# Altium PCB Main_PCB.PcbDoc (part 10 of 13) (continued)
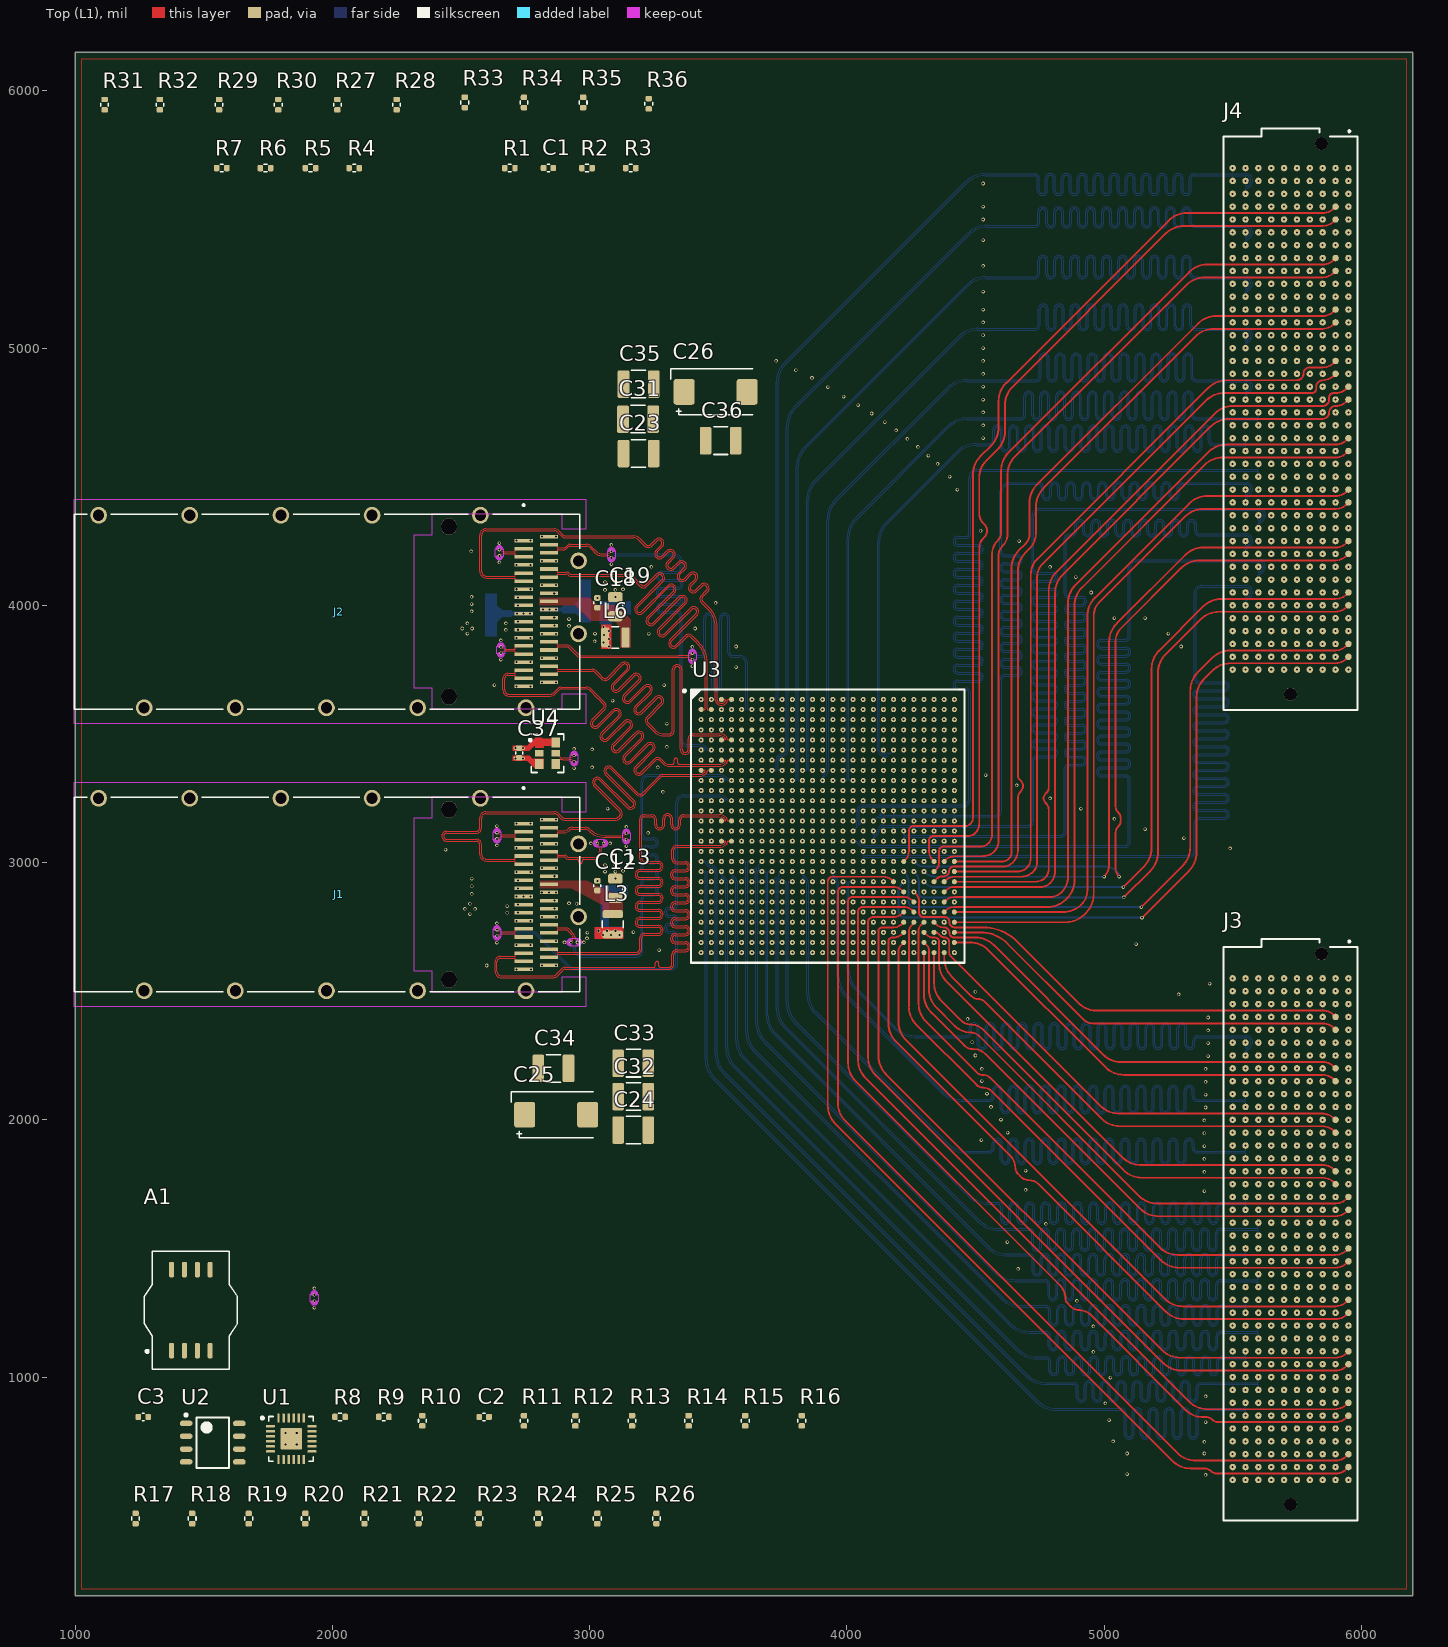
[diagram p0: Top (L1) view]
## Nets (pads, with @x,y where several pads share a name; then routed paths per layer and width w, separated by ;. In a path a pad name is that pad's centre, name@x,y a point inside that pad or via, vN(x,y) a via of type N, cw(c..) or ccw(c..) an arc to the next point about the centre after c; other vN are vias at no path point) (continued)
HPCC_B_48_P: J4.G18 U3.H16 | length 3784
  Int9 (L10) w3.5: v1(4024.41,3358.66) 4024.41,3371.1 cw(c4027.91,3371.1) 4025.43,3373.57 cw(c4027.91,3371.1) 4027.91,3374.6 ; 4027.95,3374.6 ccw(c4027.95,3385.5) 4035.66,3377.79 4035.7,3377.83 ccw(c4004.81,3408.73) 4048.5,3408.73 4048.5,3431 ccw(c4041,3431) 4048.48,3431.58 4048.13,3436.25 cw(c4063.78,3437.4) 4048.1,3437.98 4048.11,3438.05 ccw(c4040.61,3438.26) 4048.11,3438.43 4048.11,3441.38 4048.11,3475.96 ccw(c4037.11,3475.93) 4048.1,3476.25 cw(c4063.78,3476.77) 4048.09,3476.77 4048.09,3634.25 cw(c4063.78,3634.25) 4048.1,3634.78 ccw(c4037.11,3635.1) 4048.11,3635.05 4048.11,3655 ccw(c4044.97,3658.14) 4049.41,3658.14 4049.41,4452.98 cw(c4149.41,4452.98) 4078.7,4523.7 4395.71,4840.71 cw(c4466.42,4770) 4466.42,4870 4727,4870 4733.15,4870 ccw(c4733.15,4890.55) 4753.7,4890.55 4753.7,4915.97 cw(c4765.45,4915.97) 4777.2,4915.97 4777.2,4889.49 ccw(c4797.75,4889.49) 4818.3,4889.49 4818.3,4915.97 cw(c4830.05,4915.97) 4841.8,4915.97 4841.8,4889.49 ccw(c4862.35,4889.49) 4882.9,4889.49 4882.9,4915.97 cw(c4894.65,4915.97) 4906.4,4915.97 4906.4,4889.49 ccw(c4926.95,4889.49) 4947.5,4889.49 4947.5,4915.97 cw(c4959.25,4915.97) 4971,4915.97 4971,4889.49 ccw(c4991.55,4889.49) 5012.1,4889.49 5012.1,4915.97 cw(c5023.85,4915.97) 5035.6,4915.97 5035.6,4889.49 ccw(c5056.15,4889.49) 5076.7,4889.49 5076.7,4915.97 cw(c5088.45,4915.97) 5100.2,4915.97 5100.2,4889.49 ccw(c5120.75,4889.49) 5141.3,4889.49 5141.3,4915.97 cw(c5153.05,4915.97) 5164.8,4915.97 5164.8,4889.49 ccw(c5185.35,4889.49) 5205.9,4889.49 5205.9,4915.97 cw(c5217.65,4915.97) 5229.4,4915.97 5229.4,4889.49 ccw(c5249.95,4889.49) 5270.5,4889.49 5270.5,4915.97 cw(c5282.25,4915.97) 5294,4915.97 5294,4890.55 ccw(c5314.55,4890.55) 5314.55,4870 5357,4870 5652.93,4870 cw(c5652.93,4852.93) 5665,4865 cw(c5652.93,4852.93) 5670,4852.93 5670,4850 cw(c5654.66,4850) 5665.51,4839.15 5657.34,4830.99 cw(c5653.5,4834.84) 5653.5,4829.4 cw(c5653.5,4832.9) 5651.03,4830.43 cw(c5653.5,4832.9) 5650,4832.9 v1(5650,4850)
HPCC_B_49_N: J4.G23 U3.H18 | length 3813.4
  Int9 (L10) w3.5: v1(4103.15,3358.66) 4090.71,3358.66 ccw(c4090.71,3355.16) 4088.24,3357.64 ccw(c4090.71,3355.16) 4087.21,3355.16 ccw(c4090.71,3355.16) 4088.24,3352.69 ccw(c4111.63,3376.07) 4111.63,3343 4141.39,3343 cw(c4141.35,3332) 4141.8,3342.99 ccw(c4142.52,3358.66) 4143.19,3342.99 cw(c4143.69,3332) 4143.64,3343 4180.76,3343 cw(c4180.72,3332) 4181.18,3342.99 ccw(c4181.89,3358.66) 4181.89,3342.97 4418.18,3342.97 4430.89,3343 4434.94,3343 cw(c4436.88,3341.07) 4436.88,3343.8 4455.03,3343.8 ccw(c4455.03,3364.97) 4470,3350 4471.46,3351.46 ccw(c4462.93,3360) 4475,3360 4475,4650.03 cw(c4504.97,4650.03) 4483.78,4671.22 cw(c4502.07,4652.93) 4502.07,4678.8 4929,4678.8 4967.45,4678.8 cw(c4967.45,4658.25) 4988,4658.25 4988,4621.94 ccw(c4999.75,4621.94) 5011.5,4621.94 5011.5,4661.23 cw(c5032.05,4661.23) 5052.6,4661.23 5052.6,4621.94 ccw(c5064.35,4621.94) 5076.1,4621.94 5076.1,4661.23 cw(c5096.65,4661.23) 5117.2,4661.23 5117.2,4621.94 ccw(c5128.95,4621.94) 5140.7,4621.94 5140.7,4661.23 cw(c5161.25,4661.23) 5181.8,4661.23 5181.8,4621.94 ccw(c5193.55,4621.94) 5205.3,4621.94 5205.3,4661.23 cw(c5225.85,4661.23) 5246.4,4661.23 5246.4,4621.94 ccw(c5258.15,4621.94) 5269.9,4621.94 5269.9,4661.23 cw(c5290.45,4661.23) 5311,4661.23 5311,4621.94 ccw(c5322.75,4621.94) 5334.5,4621.94 5334.5,4661.23 cw(c5355.05,4661.23) 5375.6,4661.23 5375.6,4621.94 ccw(c5387.35,4621.94) 5399.1,4621.94 5399.1,4658.25 cw(c5419.65,4658.25) 5419.65,4678.8 5450,4678.8 5652.93,4678.8 cw(c5652.93,4652.93) 5671.22,4671.22 cw(c5652.93,4652.93) 5678.8,4652.93 5678.8,4650 cw(c5654.66,4650) 5671.73,4632.93 5663.56,4624.76 cw(c5653.5,4634.84) 5653.5,4620.6 ccw(c5653.5,4617.1) 5651.03,4619.57 ccw(c5653.5,4617.1) 5650,4617.1 v1(5650,4600)
HPCC_B_49_P: J4.G22 U3.H17 | length 3797.4
  Int9 (L10) w3.5: v1(4063.78,3358.66) 4076.21,3358.66 cw(c4076.21,3355.16) 4078.69,3357.64 cw(c4076.21,3355.16) 4079.71,3355.16 ccw(c4090.71,3355.16) 4082.99,3347.33 ccw(c4111.63,3376.07) 4111.63,3335.5 4141.38,3335.5 cw(c4141.35,3332) 4141.48,3335.5 ccw(c4142.52,3358.66) 4143.56,3335.5 cw(c4143.69,3332) 4143.66,3335.5 4180.75,3335.5 cw(c4180.72,3332) 4180.85,3335.5 ccw(c4181.89,3358.66) 4181.89,3335.47 4418.19,3335.47 4430.9,3335.5 4435,3335.5 ccw(c4436.21,3336.71) 4436.21,3335 4455.03,3335 ccw(c4455.03,3364.97) 4476.22,3343.78 4477.69,3345.24 ccw(c4462.93,3360) 4483.8,3360 4483.8,4650.03 cw(c4504.97,4650.03) 4490,4665 cw(c4502.07,4652.93) 4502.07,4670 4929,4670 4967.45,4670 cw(c4967.45,4658.25) 4979.2,4658.25 4979.2,4621.94 ccw(c4999.75,4621.94) 5020.3,4621.94 5020.3,4661.23 cw(c5032.05,4661.23) 5043.8,4661.23 5043.8,4621.94 ccw(c5064.35,4621.94) 5084.9,4621.94 5084.9,4661.23 cw(c5096.65,4661.23) 5108.4,4661.23 5108.4,4621.94 ccw(c5128.95,4621.94) 5149.5,4621.94 5149.5,4661.23 cw(c5161.25,4661.23) 5173,4661.23 5173,4621.94 ccw(c5193.55,4621.94) 5214.1,4621.94 5214.1,4661.23 cw(c5225.85,4661.23) 5237.6,4661.23 5237.6,4621.94 ccw(c5258.15,4621.94) 5278.7,4621.94 5278.7,4661.23 cw(c5290.45,4661.23) 5302.2,4661.23 5302.2,4621.94 ccw(c5322.75,4621.94) 5343.3,4621.94 5343.3,4661.23 cw(c5355.05,4661.23) 5366.8,4661.23 5366.8,4621.94 ccw(c5387.35,4621.94) 5407.9,4621.94 5407.9,4658.25 cw(c5419.65,4658.25) 5419.65,4670 5450,4670 5652.93,4670 cw(c5652.93,4652.93) 5665,4665 cw(c5652.93,4652.93) 5670,4652.93 5670,4650 cw(c5654.66,4650) 5665.51,4639.15 5657.34,4630.99 cw(c5653.5,4634.84) 5653.5,4629.4 cw(c5653.5,4632.9) 5651.03,4630.43 cw(c5653.5,4632.9) 5650,4632.9 v1(5650,4650)
HPCC_B_50_N: J4.G27 U3.K18 | length 3810.3
  Int9 (L10) w3.5: 4091.52,3260.62 cw(c4089.84,3263.69) 4088.8,3260.35 4088.59,3260.41 cw(c4091.07,3262.89) 4087.57,3262.89 cw(c4091.07,3262.89) 4088.59,3265.36 v1(4103.15,3279.92) ; 4091.53,3260.62 4091.94,3260.85 cw(c4103.15,3240.55) 4103.15,3263.74 4699.88,3263.74 ccw(c4699.88,3285.12) 4715,3270 ccw(c4702.93,3282.07) 4720,3282.07 4720,3687.35 4720,3693.5 ccw(c4708.25,3693.5) 4708.25,3705.25 4669.99,3705.25 cw(c4669.99,3725.8) 4669.99,3746.35 4708.92,3746.35 ccw(c4708.92,3758.1) 4708.92,3769.85 4669.99,3769.85 cw(c4669.99,3790.4) 4669.99,3810.95 4708.92,3810.95 ccw(c4708.92,3822.7) 4708.92,3834.45 4669.99,3834.45 cw(c4669.99,3855) 4669.99,3875.55 4708.92,3875.55 ccw(c4708.92,3887.3) 4708.92,3899.05 4669.99,3899.05 cw(c4669.99,3919.6) 4669.99,3940.15 4708.92,3940.15 ccw(c4708.92,3951.9) 4708.92,3963.65 4669.99,3963.65 cw(c4669.99,3984.2) 4669.99,4004.75 4708.92,4004.75 ccw(c4708.92,4016.5) 4708.92,4028.25 4669.99,4028.25 cw(c4669.99,4048.8) 4669.99,4069.35 4708.92,4069.35 ccw(c4708.92,4081.1) 4708.92,4092.85 4669.99,4092.85 cw(c4669.99,4113.4) 4669.99,4133.95 4708.92,4133.95 ccw(c4708.92,4145.7) 4708.92,4157.45 4669.99,4157.45 cw(c4669.99,4178) 4669.99,4198.55 4708.25,4198.55 ccw(c4708.25,4210.3) 4720,4210.3 4720,4261 4720,4450.03 cw(c4749.97,4450.03) 4728.78,4471.22 cw(c4747.07,4452.93) 4747.07,4478.8 5652.93,4478.8 cw(c5652.93,4452.93) 5671.22,4471.22 cw(c5652.93,4452.93) 5678.8,4452.93 5678.8,4450 cw(c5654.66,4450) 5671.73,4432.93 5663.56,4424.76 cw(c5653.5,4434.84) 5653.5,4420.6 ccw(c5653.5,4417.1) 5651.03,4419.57 ccw(c5653.5,4417.1) 5650,4417.1 v1(5650,4400)
HPCC_B_50_P: J4.G26 U3.L17 | length 3789.5
  Int9 (L10) w3.5: v1(4063.78,3240.55) 4078.34,3255.11 cw(c4080.81,3252.63) 4080.81,3256.13 cw(c4080.81,3252.63) 4083.29,3255.11 ccw(c4091.03,3262.81) 4091.03,3251.89 4091.77,3252.21 ccw(c4090.38,3255.42) 4092.09,3252.36 4095.13,3254.04 4095.56,3254.28 cw(c4103.15,3240.55) 4103.15,3256.24 4435,3256.24 ccw(c4438.14,3259.38) 4438.14,3254.94 4699.88,3254.94 ccw(c4699.88,3285.12) 4721.22,3263.78 ccw(c4702.93,3282.07) 4728.8,3282.07 4728.8,3687.35 4728.8,3693.5 ccw(c4708.25,3693.5) 4708.25,3714.05 4669.99,3714.05 cw(c4669.99,3725.8) 4669.99,3737.55 4708.92,3737.55 ccw(c4708.92,3758.1) 4708.92,3778.65 4669.99,3778.65 cw(c4669.99,3790.4) 4669.99,3802.15 4708.92,3802.15 ccw(c4708.92,3822.7) 4708.92,3843.25 4669.99,3843.25 cw(c4669.99,3855) 4669.99,3866.75 4708.92,3866.75 ccw(c4708.92,3887.3) 4708.92,3907.85 4669.99,3907.85 cw(c4669.99,3919.6) 4669.99,3931.35 4708.92,3931.35 ccw(c4708.92,3951.9) 4708.92,3972.45 4669.99,3972.45 cw(c4669.99,3984.2) 4669.99,3995.95 4708.92,3995.95 ccw(c4708.92,4016.5) 4708.92,4037.05 4669.99,4037.05 cw(c4669.99,4048.8) 4669.99,4060.55 4708.92,4060.55 ccw(c4708.92,4081.1) 4708.92,4101.65 4669.99,4101.65 cw(c4669.99,4113.4) 4669.99,4125.15 4708.92,4125.15 ccw(c4708.92,4145.7) 4708.92,4166.25 4669.99,4166.25 cw(c4669.99,4178) 4669.99,4189.75 4708.25,4189.75 ccw(c4708.25,4210.3) 4728.8,4210.3 4728.8,4261 4728.8,4450.03 cw(c4749.97,4450.03) 4735,4465 cw(c4747.07,4452.93) 4747.07,4470 5652.93,4470 cw(c5652.93,4452.93) 5665,4465 cw(c5652.93,4452.93) 5670,4452.93 5670,4450 cw(c5654.66,4450) 5665.51,4439.15 5657.34,4430.99 cw(c5653.5,4434.84) 5653.5,4429.4 cw(c5653.5,4432.9) 5651.03,4430.43 cw(c5653.5,4432.9) 5650,4432.9 v1(5650,4450)
HPCC_B_51_N: J4.G31 U3.M20 | length 3811.5
  Int9 (L10) w3.5: v1(4181.89,3201.18) 4167.33,3186.62 ccw(c4169.81,3184.15) 4166.31,3184.15 ccw(c4169.55,3185.47) 4171.16,3182.37 cw(c4181.89,3161.81) 4183,3184.97 ; 4183.01,3184.98 4183.06,3184.97 ; 4183.08,3184.97 4186.18,3184.98 4220.19,3184.98 ccw(c4220.16,3188.48) 4220.28,3184.98 cw(c4221.26,3161.81) 4221.26,3185 4418.11,3185 cw(c4418.11,3161.81) 4419.09,3184.98 ccw(c4419.21,3188.48) 4419.18,3184.98 4952.87,3184.98 ccw(c4952.87,3202.13) 4965,3190 ccw(c4952.93,3202.07) 4970,3202.07 4970,3488.36 4970,3494.51 ccw(c4958.25,3494.51) 4958.25,3506.26 4910.53,3506.26 cw(c4910.53,3526.81) 4910.53,3547.36 4962.49,3547.36 ccw(c4962.49,3559.11) 4962.49,3570.86 4910.53,3570.86 cw(c4910.53,3591.41) 4910.53,3611.96 4962.49,3611.96 ccw(c4962.49,3623.71) 4962.49,3635.46 4910.53,3635.46 cw(c4910.53,3656.01) 4910.53,3676.56 4962.49,3676.56 ccw(c4962.49,3688.31) 4962.49,3700.06 4910.53,3700.06 cw(c4910.53,3720.61) 4910.53,3741.16 4962.49,3741.16 ccw(c4962.49,3752.91) 4962.49,3764.66 4910.53,3764.66 cw(c4910.53,3785.21) 4910.53,3805.76 4962.49,3805.76 ccw(c4962.49,3817.51) 4962.49,3829.26 4910.53,3829.26 cw(c4910.53,3849.81) 4910.53,3870.36 4962.49,3870.36 ccw(c4962.49,3882.11) 4962.49,3893.86 4910.53,3893.86 cw(c4910.53,3914.41) 4910.53,3934.96 4962.49,3934.96 ccw(c4962.49,3946.71) 4962.49,3958.46 4910.53,3958.46 cw(c4910.53,3979.01) 4910.53,3999.56 4958.25,3999.56 ccw(c4958.25,4011.31) 4970,4011.31 4970,4043 4970,4250.03 cw(c4999.97,4250.03) 4978.78,4271.22 cw(c4997.07,4252.93) 4997.07,4278.8 5652.93,4278.8 cw(c5652.93,4252.93) 5671.22,4271.22 cw(c5652.93,4252.93) 5678.8,4252.93 5678.8,4250 cw(c5654.66,4250) 5671.73,4232.93 5663.56,4224.76 cw(c5653.5,4234.84) 5653.5,4220.6 ccw(c5653.5,4217.1) 5651.03,4219.57 ccw(c5653.5,4217.1) 5650,4217.1 v1(5650,4200)
HPCC_B_51_P: J4.G30 U3.N19 | length 3791.7
  Int9 (L10) w3.5: v1(4142.52,3161.81) 4157.08,3176.37 cw(c4159.55,3173.89) 4159.55,3177.39 cw(c4159.55,3173.89) 4162.03,3176.37 ccw(c4169.76,3184.04) 4169.76,3173.15 ccw(c4169.72,3176.65) 4171.95,3173.95 cw(c4181.89,3161.81) 4182.65,3177.48 ccw(c4183,3184.97) 4183.18,3177.47 4186.18,3177.48 4220.22,3177.48 ccw(c4220.16,3188.48) 4220.58,3177.48 cw(c4221.26,3161.81) 4221.26,3177.5 4418.11,3177.5 cw(c4418.11,3161.81) 4418.79,3177.48 ccw(c4419.21,3188.48) 4419.15,3177.48 4435,3177.48 ccw(c4438.14,3180.61) 4438.14,3176.18 4952.87,3176.18 ccw(c4952.87,3202.13) 4971.22,3183.78 ccw(c4952.93,3202.07) 4978.8,3202.07 4978.8,3488.36 4978.8,3494.51 ccw(c4958.25,3494.51) 4958.25,3515.06 4910.53,3515.06 cw(c4910.53,3526.81) 4910.53,3538.56 4962.49,3538.56 ccw(c4962.49,3559.11) 4962.49,3579.66 4910.53,3579.66 cw(c4910.53,3591.41) 4910.53,3603.16 4962.49,3603.16 ccw(c4962.49,3623.71) 4962.49,3644.26 4910.53,3644.26 cw(c4910.53,3656.01) 4910.53,3667.76 4962.49,3667.76 ccw(c4962.49,3688.31) 4962.49,3708.86 4910.53,3708.86 cw(c4910.53,3720.61) 4910.53,3732.36 4962.49,3732.36 ccw(c4962.49,3752.91) 4962.49,3773.46 4910.53,3773.46 cw(c4910.53,3785.21) 4910.53,3796.96 4962.49,3796.96 ccw(c4962.49,3817.51) 4962.49,3838.06 4910.53,3838.06 cw(c4910.53,3849.81) 4910.53,3861.56 4962.49,3861.56 ccw(c4962.49,3882.11) 4962.49,3902.66 4910.53,3902.66 cw(c4910.53,3914.41) 4910.53,3926.16 4962.49,3926.16 ccw(c4962.49,3946.71) 4962.49,3967.26 4910.53,3967.26 cw(c4910.53,3979.01) 4910.53,3990.76 4958.25,3990.76 ccw(c4958.25,4011.31) 4978.8,4011.31 4978.8,4043 4978.8,4250.03 cw(c4999.97,4250.03) 4985,4265 cw(c4997.07,4252.93) 4997.07,4270 5652.93,4270 cw(c5652.93,4252.93) 5665,4265 cw(c5652.93,4252.93) 5670,4252.93 5670,4250 cw(c5654.66,4250) 5665.51,4239.15 5657.34,4230.99 cw(c5653.5,4234.84) 5653.5,4229.4 cw(c5653.5,4232.9) 5651.03,4230.43 cw(c5653.5,4232.9) 5650,4232.9 v1(5650,4250)
HPCC_B_52_N: J4.G35 U3.P20 | length 3806.3
  Int9 (L10) w3.5: v1(4181.89,3122.44) 4169.45,3122.44 ccw(c4169.45,3118.94) 4166.59,3116.93 4169.05,3113.42 ccw(c4181.89,3122.44) 4181.93,3106.75 4396.1,3106.28 4435,3106.28 5193.95,3106.28 ccw(c5193.95,3136.05) 5215,3115 ccw(c5202.93,3127.07) 5220,3127.07 5220,3293 5220,3299.15 ccw(c5208.25,3299.15) 5208.25,3310.9 5181.97,3310.9 cw(c5181.97,3331.45) 5181.97,3352 5259.2,3352 ccw(c5259.2,3363.75) 5259.2,3375.5 5181.97,3375.5 cw(c5181.97,3396.05) 5181.97,3416.6 5259.2,3416.6 ccw(c5259.2,3428.35) 5259.2,3440.1 5181.97,3440.1 cw(c5181.97,3460.65) 5181.97,3481.2 5259.2,3481.2 ccw(c5259.2,3492.95) 5259.2,3504.7 5181.97,3504.7 cw(c5181.97,3525.25) 5181.97,3545.8 5259.2,3545.8 ccw(c5259.2,3557.55) 5259.2,3569.3 5181.97,3569.3 cw(c5181.97,3589.85) 5181.97,3610.4 5259.2,3610.4 ccw(c5259.2,3622.15) 5259.2,3633.9 5181.97,3633.9 cw(c5181.97,3654.45) 5181.97,3675 5259.2,3675 ccw(c5259.2,3686.75) 5259.2,3698.5 5181.97,3698.5 cw(c5181.97,3719.05) 5181.97,3739.6 5208.25,3739.6 ccw(c5208.25,3751.35) 5220,3751.35 5220,3781 5220,4050.03 cw(c5249.97,4050.03) 5228.78,4071.22 cw(c5247.07,4052.93) 5247.07,4078.8 5652.93,4078.8 cw(c5652.93,4052.93) 5671.22,4071.22 cw(c5652.93,4052.93) 5678.8,4052.93 5678.8,4050 cw(c5654.66,4050) 5671.73,4032.93 5663.56,4024.76 cw(c5653.5,4034.84) 5653.5,4020.6 ccw(c5653.5,4017.1) 5651.03,4019.57 ccw(c5653.5,4017.1) 5650,4017.1 v1(5650,4000)
HPCC_B_52_P: J4.G34 U3.P19 | length 3790.8
  Int9 (L10) w3.5: v1(4142.52,3122.44) 4154.95,3122.44 cw(c4154.95,3118.94) 4158.45,3118.94 ccw(c4169.45,3118.94) 4160.45,3112.62 4162.92,3109.11 ccw(c4181.89,3122.44) 4181.94,3099.25 4396.08,3098.78 4435,3098.78 ccw(c4438.14,3101.92) 4438.14,3097.48 5193.95,3097.48 ccw(c5193.95,3136.05) 5221.22,3108.78 ccw(c5202.93,3127.07) 5228.8,3127.07 5228.8,3293 5228.8,3299.15 ccw(c5208.25,3299.15) 5208.25,3319.7 5181.97,3319.7 cw(c5181.97,3331.45) 5181.97,3343.2 5259.2,3343.2 ccw(c5259.2,3363.75) 5259.2,3384.3 5181.97,3384.3 cw(c5181.97,3396.05) 5181.97,3407.8 5259.2,3407.8 ccw(c5259.2,3428.35) 5259.2,3448.9 5181.97,3448.9 cw(c5181.97,3460.65) 5181.97,3472.4 5259.2,3472.4 ccw(c5259.2,3492.95) 5259.2,3513.5 5181.97,3513.5 cw(c5181.97,3525.25) 5181.97,3537 5259.2,3537 ccw(c5259.2,3557.55) 5259.2,3578.1 5181.97,3578.1 cw(c5181.97,3589.85) 5181.97,3601.6 5259.2,3601.6 ccw(c5259.2,3622.15) 5259.2,3642.7 5181.97,3642.7 cw(c5181.97,3654.45) 5181.97,3666.2 5259.2,3666.2 ccw(c5259.2,3686.75) 5259.2,3707.3 5181.97,3707.3 cw(c5181.97,3719.05) 5181.97,3730.8 5208.25,3730.8 ccw(c5208.25,3751.35) 5228.8,3751.35 5228.8,3781 5228.8,4050.03 cw(c5249.97,4050.03) 5235,4065 cw(c5247.07,4052.93) 5247.07,4070 5652.93,4070 cw(c5652.93,4052.93) 5665,4065 cw(c5652.93,4052.93) 5670,4052.93 5670,4050 cw(c5654.66,4050) 5665.51,4039.15 5657.34,4030.99 cw(c5653.5,4034.84) 5653.5,4029.4 cw(c5653.5,4032.9) 5651.03,4030.43 cw(c5653.5,4032.9) 5650,4032.9 v1(5650,4050)
HPCC_B_53_N: J4.G39 U3.U20 | length 3855.4
  Int7 (L8) w3.5: v1(4181.89,3004.33) 4169.45,3004.33 cw(c4169.45,3007.83) 4166.98,3005.36 cw(c4169.45,3007.83) 4165.95,3007.83 cw(c4169.45,3007.83) 4166.98,3010.31 cw(c4190.38,2986.9) 4190.38,3020 4215,3020 4221.22,3020.02 cw(c4221.26,3004.33) 4221.88,3020.01 4221.94,3020 ccw(c4222.23,3031) 4222.23,3020 4259.72,3020 ccw(c4259.66,3031) 4260.02,3020.01 cw(c4260.63,3004.33) 4260.63,3020.02 4418.11,3020.02 cw(c4418.11,3004.33) 4418.27,3020.02 4419.89,3020 ccw(c4419.97,3027.5) 4420,3020 4787.91,3020 4826.36,3020 cw(c4826.36,3008.25) 4838.11,3008.25 4838.11,2997.6 ccw(c4858.66,2997.6) 4879.21,2997.6 4879.21,3008.99 cw(c4890.96,3008.99) 4902.71,3008.99 4902.71,2997.6 ccw(c4923.26,2997.6) 4943.81,2997.6 4943.81,3008.99 cw(c4955.56,3008.99) 4967.31,3008.99 4967.31,2997.6 ccw(c4987.86,2997.6) 5008.41,2997.6 5008.41,3008.99 cw(c5020.16,3008.99) 5031.91,3008.99 5031.91,2997.6 ccw(c5052.46,2997.6) 5073.01,2997.6 5073.01,3008.99 cw(c5084.76,3008.99) 5096.51,3008.99 5096.51,2997.6 ccw(c5117.06,2997.6) 5137.61,2997.6 5137.61,3008.99 cw(c5149.36,3008.99) 5161.11,3008.99 5161.11,2997.6 ccw(c5181.66,2997.6) 5202.21,2997.6 5202.21,3008.99 cw(c5213.96,3008.99) 5225.71,3008.99 5225.71,2997.6 ccw(c5246.26,2997.6) 5266.81,2997.6 5266.81,3008.99 cw(c5278.56,3008.99) 5290.31,3008.99 5290.31,2997.6 ccw(c5310.86,2997.6) 5331.41,2997.6 5331.41,3008.99 cw(c5343.16,3008.99) 5354.91,3008.99 5354.91,2997.6 ccw(c5375.46,2997.6) 5396.01,2997.6 5396.01,3008.99 cw(c5407.76,3008.99) 5419.51,3008.99 5419.51,2997.6 ccw(c5440.06,2997.6) 5460.61,2997.6 5460.61,3008.25 cw(c5472.36,3008.25) 5472.36,3020 5495,3020 5500.03,3020 ccw(c5500.03,3049.97) 5521.22,3028.78 ccw(c5502.93,3047.07) 5528.8,3047.07 5528.8,3063 5528.8,3069.15 ccw(c5508.25,3069.15) 5508.25,3089.7 5405.81,3089.7 cw(c5405.81,3101.45) 5405.81,3113.2 5510.14,3113.2 ccw(c5510.14,3133.75) 5510.14,3154.3 5405.81,3154.3 cw(c5405.81,3166.05) 5405.81,3177.8 5510.14,3177.8 ccw(c5510.14,3198.35) 5510.14,3218.9 5405.81,3218.9 cw(c5405.81,3230.65) 5405.81,3242.4 5510.14,3242.4 ccw(c5510.14,3262.95) 5510.14,3283.5 5405.81,3283.5 cw(c5405.81,3295.25) 5405.81,3307 5508.25,3307 ccw(c5508.25,3327.55) 5528.8,3327.55 5528.8,3361.58 5528.8,3675.03 cw(c5549.97,3675.03) 5535,3690 cw(c5549.97,3675.03) 5549.97,3696.2 5602.93,3696.2 ccw(c5602.93,3722.07) 5621.22,3703.78 ccw(c5600.03,3724.97) 5630,3724.97 5630,3785.72 cw(c5677.88,3785.72) 5644.02,3819.57 ; 5644.03,3819.57 cw(c5646.5,3817.1) 5646.5,3820.6 cw(c5646.5,3817.1) 5648.97,3819.57 cw(c5646.5,3817.1) 5650,3817.1 v1(5650,3800)
HPCC_B_53_P: J4.G38 U3.U19 | length 3867.5
  Int7 (L8) w3.5: v1(4142.52,3004.33) 4154.95,3004.33 ccw(c4154.95,3007.83) 4157.43,3005.36 ccw(c4154.95,3007.83) 4158.45,3007.83 cw(c4169.36,3007.87) 4161.65,3015.58 4161.73,3015.66 cw(c4190.31,2987.08) 4190.31,3027.5 4215,3027.5 4221.16,3027.52 cw(c4221.26,3004.33) 4222.13,3027.5 ccw(c4222.23,3031) 4222.23,3027.5 4259.68,3027.5 ccw(c4259.66,3031) 4259.76,3027.5 cw(c4260.63,3004.33) 4260.63,3027.52 4418.11,3027.52 cw(c4418.11,3004.33) 4418.34,3027.52 4419.95,3027.5 4435,3027.5 cw(c4438.14,3024.36) 4438.14,3028.8 4787.91,3028.8 4826.36,3028.8 cw(c4826.36,3008.25) 4846.91,3008.25 4846.91,2997.6 ccw(c4858.66,2997.6) 4870.41,2997.6 4870.41,3008.99 cw(c4890.96,3008.99) 4911.51,3008.99 4911.51,2997.6 ccw(c4923.26,2997.6) 4935.01,2997.6 4935.01,3008.99 cw(c4955.56,3008.99) 4976.11,3008.99 4976.11,2997.6 ccw(c4987.86,2997.6) 4999.61,2997.6 4999.61,3008.99 cw(c5020.16,3008.99) 5040.71,3008.99 5040.71,2997.6 ccw(c5052.46,2997.6) 5064.21,2997.6 5064.21,3008.99 cw(c5084.76,3008.99) 5105.31,3008.99 5105.31,2997.6 ccw(c5117.06,2997.6) 5128.81,2997.6 5128.81,3008.99 cw(c5149.36,3008.99) 5169.91,3008.99 5169.91,2997.6 ccw(c5181.66,2997.6) 5193.41,2997.6 5193.41,3008.99 cw(c5213.96,3008.99) 5234.51,3008.99 5234.51,2997.6 ccw(c5246.26,2997.6) 5258.01,2997.6 5258.01,3008.99 cw(c5278.56,3008.99) 5299.11,3008.99 5299.11,2997.6 ccw(c5310.86,2997.6) 5322.61,2997.6 5322.61,3008.99 cw(c5343.16,3008.99) 5363.71,3008.99 5363.71,2997.6 ccw(c5375.46,2997.6) 5387.21,2997.6 5387.21,3008.99 cw(c5407.76,3008.99) 5428.31,3008.99 5428.31,2997.6 ccw(c5440.06,2997.6) 5451.81,2997.6 5451.81,3008.25 cw(c5472.36,3008.25) 5472.36,3028.8 5495,3028.8 5500.03,3028.8 ccw(c5500.03,3049.97) 5515,3035 ccw(c5502.93,3047.07) 5520,3047.07 5520,3063 5520,3069.15 ccw(c5508.25,3069.15) 5508.25,3080.9 5405.81,3080.9 cw(c5405.81,3101.45) 5405.81,3122 5510.14,3122 ccw(c5510.14,3133.75) 5510.14,3145.5 5405.81,3145.5 cw(c5405.81,3166.05) 5405.81,3186.6 5510.14,3186.6 ccw(c5510.14,3198.35) 5510.14,3210.1 5405.81,3210.1 cw(c5405.81,3230.65) 5405.81,3251.2 5510.14,3251.2 ccw(c5510.14,3262.95) 5510.14,3274.7 5405.81,3274.7 cw(c5405.81,3295.25) 5405.81,3315.8 5508.25,3315.8 ccw(c5508.25,3327.55) 5520,3327.55 5520,3361.58 5520,3675.03 cw(c5549.97,3675.03) 5528.78,3696.22 cw(c5549.97,3675.03) 5549.97,3705 5602.93,3705 ccw(c5602.93,3722.07) 5615,3710 ccw(c5600.03,3724.97) 5621.2,3724.97 5621.2,3785.71 cw(c5677.89,3785.71) 5637.8,3825.8 cw(c5646.5,3817.1) 5646.5,3829.4 ccw(c5646.5,3832.9) 5648.97,3830.43 ccw(c5646.5,3832.9) 5650,3832.9 v1(5650,3850)
HPCC_B_54_N: J4.H5 U3.G9 | length 3825.4
  Int9 (L10) w3.5: v1(3748.82,3398.03) 3761.25,3398.03 ccw(c3761.25,3401.53) 3763.73,3399.06 ccw(c3761.25,3401.53) 3764.75,3401.53 3764.75,4797.13 cw(c3873.55,4797.13) 3796.62,4874.07 4469.49,5546.93 cw(c4546.42,5470) 4546.42,5578.8 4995,5578.8 5001.15,5578.8 ccw(c5001.15,5590.55) 5012.9,5590.55 5012.9,5591.87 cw(c5033.45,5591.87) 5054,5591.87 5054,5588.92 ccw(c5065.75,5588.92) 5077.5,5588.92 5077.5,5591.87 cw(c5098.05,5591.87) 5118.6,5591.87 5118.6,5588.92 ccw(c5130.35,5588.92) 5142.1,5588.92 5142.1,5591.87 cw(c5162.65,5591.87) 5183.2,5591.87 5183.2,5590.55 ccw(c5194.95,5590.55) 5194.95,5578.8 5269,5578.8 5602.93,5578.8 cw(c5602.93,5552.93) 5621.22,5571.22 cw(c5602.93,5552.93) 5628.8,5552.93 5628.8,5550 cw(c5604.66,5550) 5621.73,5532.93 5613.56,5524.76 cw(c5603.5,5534.84) 5603.5,5520.6 ccw(c5603.5,5517.1) 5601.03,5519.57 ccw(c5603.5,5517.1) 5600,5517.1 v1(5600,5500)
HPCC_B_54_P: J4.H4 U3.G10 | length 3784.3
  Int9 (L10) w3.5: v1(3788.19,3398.03) 3775.75,3398.03 cw(c3775.75,3401.53) 3773.28,3399.06 cw(c3775.75,3401.53) 3772.25,3401.53 3772.25,3656 ccw(c3769.12,3659.14) 3773.55,3659.14 3773.55,4797.13 cw(c3873.55,4797.13) 3802.84,4867.84 4475.71,5540.71 cw(c4546.42,5470) 4546.42,5570 4995,5570 5001.15,5570 ccw(c5001.15,5590.55) 5021.7,5590.55 5021.7,5591.87 cw(c5033.45,5591.87) 5045.2,5591.87 5045.2,5588.92 ccw(c5065.75,5588.92) 5086.3,5588.92 5086.3,5591.87 cw(c5098.05,5591.87) 5109.8,5591.87 5109.8,5588.92 ccw(c5130.35,5588.92) 5150.9,5588.92 5150.9,5591.87 cw(c5162.65,5591.87) 5174.4,5591.87 5174.4,5590.55 ccw(c5194.95,5590.55) 5194.95,5570 5269,5570 5602.93,5570 cw(c5602.93,5552.93) 5615,5565 cw(c5602.93,5552.93) 5620,5552.93 5620,5550 cw(c5604.66,5550) 5615.51,5539.15 5607.34,5530.99 cw(c5603.5,5534.84) 5603.5,5529.4 cw(c5603.5,5532.9) 5601.03,5530.43 cw(c5603.5,5532.9) 5600,5532.9 v1(5600,5550)
HPCC_B_55_N: J4.H9 U3.F10 | length 3813.8
  Int9 (L10) w3.5: v1(3788.19,3437.4) 3802.75,3422.84 ccw(c3805.22,3425.32) 3805.22,3421.82 ccw(c3805.22,3425.32) 3807.7,3422.84 cw(c3813,3417.54) 3813,3425.04 cw(c3813,3417.54) 3815.02,3424.76 ; 3815.03,3424.76 cw(c3813,3417.54) 3815.08,3424.75 3821.1,3423.03 cw(c3818.09,3412.45) 3821.98,3422.74 ccw(c3827.56,3437.4) 3843.25,3437.42 3843.23,3455.26 3843.23,3455.46 3843.23,3475.91 cw(c3854.23,3475.85) 3843.24,3476.2 ccw(c3827.56,3476.77) 3843.25,3476.77 3843.25,3634.25 ccw(c3827.56,3634.25) 3843.24,3634.82 cw(c3854.23,3635.16) 3843.23,3635.16 3843.23,4675.61 cw(c3952.03,4675.61) 3875.1,4752.54 4469.49,5346.93 cw(c4546.42,5270) 4546.42,5378.8 4921,5378.8 4927.15,5378.8 ccw(c4927.15,5390.55) 4938.9,5390.55 4938.9,5404.46 cw(c4959.45,5404.46) 4980,5404.46 4980,5389.97 ccw(c4991.75,5389.97) 5003.5,5389.97 5003.5,5404.46 cw(c5024.05,5404.46) 5044.6,5404.46 5044.6,5389.97 ccw(c5056.35,5389.97) 5068.1,5389.97 5068.1,5404.46 cw(c5088.65,5404.46) 5109.2,5404.46 5109.2,5389.97 ccw(c5120.95,5389.97) 5132.7,5389.97 5132.7,5404.46 cw(c5153.25,5404.46) 5173.8,5404.46 5173.8,5389.97 ccw(c5185.55,5389.97) 5197.3,5389.97 5197.3,5404.46 cw(c5217.85,5404.46) 5238.4,5404.46 5238.4,5390.55 ccw(c5250.15,5390.55) 5250.15,5378.8 5322,5378.8 5602.93,5378.8 cw(c5602.93,5352.93) 5621.22,5371.22 cw(c5602.93,5352.93) 5628.8,5352.93 5628.8,5350 cw(c5604.66,5350) 5621.73,5332.93 5613.56,5324.76 cw(c5603.5,5334.84) 5603.5,5320.6 ccw(c5603.5,5317.1) 5601.03,5319.57 ccw(c5603.5,5317.1) 5600,5317.1 v1(5600,5300)
HPCC_B_55_P: J4.H8 U3.G11 | length 3778.5
  Int9 (L10) w3.5: v1(3827.56,3398.03) 3813,3412.59 cw(c3815.48,3415.06) 3811.98,3415.06 cw(c3815.48,3415.06) 3813,3417.54 3819.05,3415.82 cw(c3818.09,3412.45) 3819.32,3415.73 ccw(c3827.56,3437.4) 3850.75,3437.36 3850.73,3455.27 ; 3850.73,3455.31 3850.73,3455.46 3850.73,3475.88 cw(c3854.23,3475.85) 3850.73,3475.95 ccw(c3827.56,3476.77) 3850.75,3476.77 3850.75,3634.25 ccw(c3827.56,3634.25) 3850.73,3635.07 cw(c3854.23,3635.16) 3850.73,3635.16 3850.73,3655 ccw(c3847.59,3658.14) 3852.03,3658.14 3852.03,4675.61 cw(c3952.03,4675.61) 3881.32,4746.32 4475.71,5340.71 cw(c4546.42,5270) 4546.42,5370 4921,5370 4927.15,5370 ccw(c4927.15,5390.55) 4947.7,5390.55 4947.7,5404.46 cw(c4959.45,5404.46) 4971.2,5404.46 4971.2,5389.97 ccw(c4991.75,5389.97) 5012.3,5389.97 5012.3,5404.46 cw(c5024.05,5404.46) 5035.8,5404.46 5035.8,5389.97 ccw(c5056.35,5389.97) 5076.9,5389.97 5076.9,5404.46 cw(c5088.65,5404.46) 5100.4,5404.46 5100.4,5389.97 ccw(c5120.95,5389.97) 5141.5,5389.97 5141.5,5404.46 cw(c5153.25,5404.46) 5165,5404.46 5165,5389.97 ccw(c5185.55,5389.97) 5206.1,5389.97 5206.1,5404.46 cw(c5217.85,5404.46) 5229.6,5404.46 5229.6,5390.55 ccw(c5250.15,5390.55) 5250.15,5370 5322,5370 5602.93,5370 cw(c5602.93,5352.93) 5615,5365 cw(c5602.93,5352.93) 5620,5352.93 5620,5350 cw(c5604.66,5350) 5615.51,5339.15 5607.34,5330.99 cw(c5603.5,5334.84) 5603.5,5329.4 cw(c5603.5,5332.9) 5601.03,5330.43 cw(c5603.5,5332.9) 5600,5332.9 v1(5600,5350)